# Altium PCB PCB_SAMARUC.PcbDoc (part 2 of 2)
Units mil, origin at the board's own origin, x right, y up, seen from the top; angles counter-clockwise.
Board outline 3000 x 2475 mil, 6 copper layers (Top (S1), GND1, PWR, S2, GND2, Bottom (S3)), stack 62.312 mil thick; 203 components, 120 nets, 721 pads, 145 vias.
Unrouted connection lines stored in the file: 235.
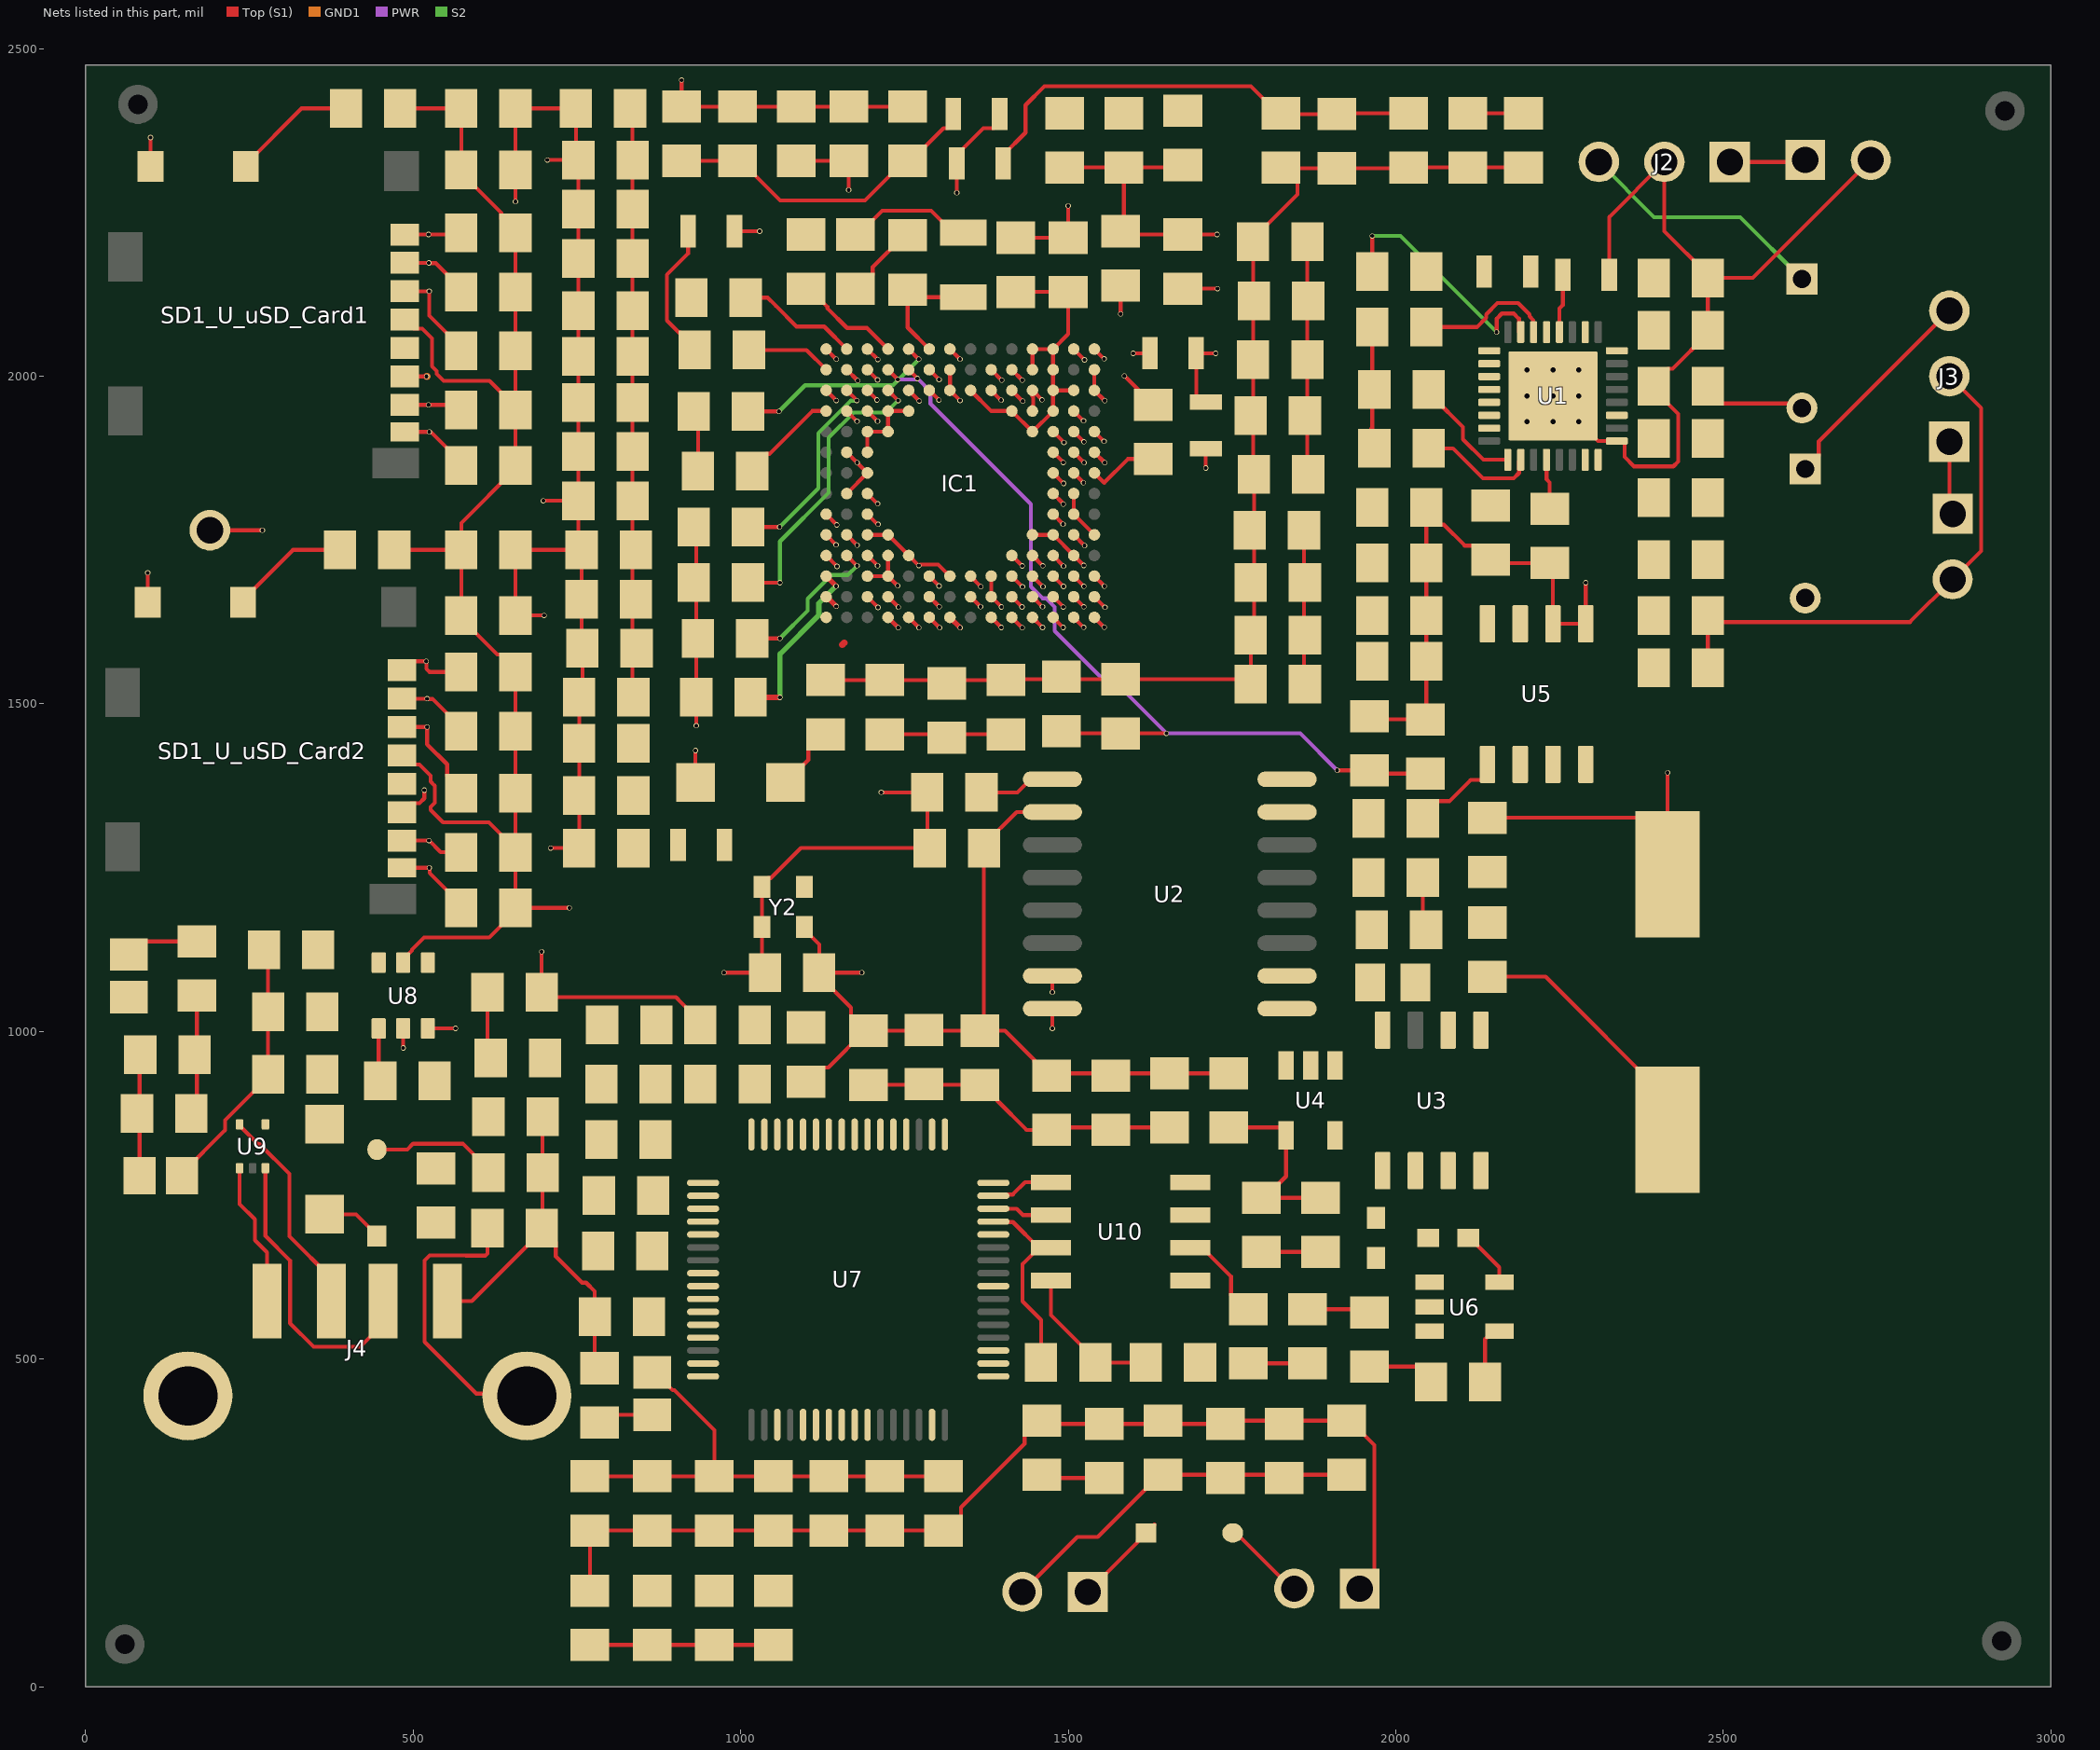
[diagram p5: the nets of this part, all layers, seen from the top]

## Part data (continued)
Y2: library part CMP-27762-002611-1, "MEMS Oscillator 12MHz ±50ppm LVCMOS 3.3V SMD 2.5x2mm", Case/Package=SMD/SMT, Frequency=12MHz, Frequency Stability=50ppm, Load Capacitance=15pF, Max Operating Temperature=85°C, Max Supply Current=10mA, Max Supply Voltage=3.6V, Min Operating Temperature=-40°C, Min Supply Voltage=3V, Operating Frequency="12 MHz", Operating Supply Voltage=3.3V, Package Quantity=1000, Height=0.035inch, Lead Free="Lead Free", Length=0.098inch, Mount="Surface Mount", Number of Pins=4, Packaging="Tape and Reel", RoHS Compliant=Yes, Series="Pure Silicon™ ASDM", Termination=SMD/SMT, Width=0.079inch

## Free pads (board coordinates)
  round 60 hole 30: 1(60,65) 2(2925,70) 3(2930,2405) 4(80,2415)

## Via types
v1: diameter 8, hole 6, Top (S1) to S2, 91 vias
v2: diameter 8, hole 6, Top (S1) to GND1, 27 vias
v3: diameter 8, hole 6, Top (S1) to PWR, 16 vias
v4: diameter 19.68, hole 7.87, Top (S1) to Bottom (S3), 9 vias
v5: diameter 8, hole 6, Top (S1) to Bottom (S3), 2 vias

## Nets (pads, with @x,y where several pads share a name; then routed paths per layer and width w, separated by ;. In a path a pad name is that pad's centre, name@x,y a point inside that pad or via, vN(x,y) a via of type N, cw(c..) or ccw(c..) an arc to the next point about the centre after c; other vN are vias at no path point)
AGND: C43.1 C44.1 C45.1 C46.1 C58.1 C59.1 C60.1 C81.1 C82.1 C83.1 FB8.1 IC1.A1 IC1.B6 IC1.C9 IC1.F13 IC1.J12 | length 924.2
  Top (S1) w6: v2(910,2451.91) C46.1@910,2411.34 C45.1@995,2411.34 C43.1@1085,2411.34 C82.1@1165,2411.34 C44.1@1255,2411.34 ; IC1.A1@1130.55,2041.46 v2(1146.1,2025.9) ; IC1.B6@1288.03,2009.96 v2(1302.99,1995) ; IC1.C9@1382.52,1978.46 v2(1397.67,1963.32) ; IC1.J12@1477.01,1789.49 v2(1492.2,1774.3) ; C59.1@1495,2318.66 C60.1@1585,2318.66 ; IC1.F13@1508.5,1883.98 v2(1524.29,1868.19) ; C58.1@1675,2322.32 1671.34,2318.66 C60.1@1585,2318.66 ; v2(1727.31,2216.34) C81.1@1675,2216.34 1585,2216.34 C83.1@1580,2221.34 1585,2226.34 C60.1@1585,2318.66
ANA_LDO_OUT: C43.2 C81.2 C82.2 IC1.B7 IC1.B9 IC1.C7 | length 253.6
  Top (S1) w6: C43.2@1085,2328.66 C82.2@1165,2328.66 v1(1165,2284.31) ; IC1.B7@1319.53,2009.96 IC1.C7@1319.53,1978.46 v1(1335,1962.99) ; IC1.B9@1382.52,2009.96 v1(1398.57,1993.91) ; C81.2@1675,2133.66 v1(1728.12,2133.66)
CLK_12MHz: IC1.C1 IC1.E14 R8.2 U1.1 U7.2 Y2.3 | length 42.8
  Top (S1) w6: IC1.C1@1130.55,1978.46 v1(1146.04,1962.98) ; IC1.E14@1540,1915.47 v1(1554.79,1900.68)
DSP_LDO_OUT: C47.2 C48.2 C49.2 C50.2 C51.2 C52.2 C53.2 C54.2 C61.2 C62.2 C63.2 C64.2 C65.2 C66.2 C67.2 C68.2 C69.2 C70.2 IC1.A13 IC1.C11 IC1.D3 IC1.D11 IC1.F2 IC1.G3 IC1.H2 IC1.K11 IC1.K12 IC1.L13 IC1.M6 IC1.M9 IC1.N9 | length 1615.8
  Top (S1) w6: C64.2@831.34,2408.72 835,2405.06 C65.2@835,2330 C66.2@835,2255 C47.2@835,2180 C48.2@835,2100 C49.2@835,2030 C62.2@835,1960 C53.2@835,1885 C61.2@835,1810 835,1511.34 C52.2@836.34,1510 ; IC1.H2@1162.05,1820.98 IC1.G3@1193.54,1852.48 v1(1177.92,1868.11) IC1.F2@1162.05,1883.98 ; IC1.D3@1193.54,1946.97 v1(1209.04,1931.47) ; IC1.M6@1288.03,1695 v1(1303.03,1680) ; IC1.M9@1382.52,1695 IC1.N9@1382.52,1663.5 v1(1398.08,1647.94) ; IC1.K11@1445.51,1757.99 IC1.K12@1477.01,1757.99 IC1.L13@1508.5,1726.5 v1(1523.77,1711.23) ; IC1.D11@1445.51,1946.97 1445.51,1954.24 1446.56,1955.29 1446.56,1968.55 1445.51,1969.6 IC1.C11@1445.51,1978.46 v1(1460,1963.98) ; IC1.A13@1508.5,2041.46 v1(1524.96,2025) ; C70.2@1865,2205 C68.2@1865,2025 1865,1851.34 C63.2@1866.34,1850
GND: C3.1 C4.1 C7.1 C8.1 C11.1 C12_U_uSD_Card1.1 C12_U_uSD_Card2.1 C13_U_uSD_Card1.1 C13_U_uSD_Card2.1 C14.1 C15.1 C16.1 C17.1 C18.2 C19.1 C20.1 C22.1 C23.1 C24.1 C25.1 C26.1 C28.1 C29.1 C32.1 C33.1 C34.1 C37.1 C38.1 C39.1 C40.1 C41.1 C42.1 C47.1 C48.1 C49.1 C50.1 C51.1 C52.1 C53.1 C54.1 C55.1 C56.1 C57.1 C61.1 C62.1 C63.1 C64.1 C65.1 C66.1 C67.1 C68.1 C69.1 C70.1 C71.1 C72.1 C73.1 C74.1 C75.1 C76.1 C77.1 C78.1 C79.1 C80.1 C84.1 C85.1 C86.1 C87.1 C88.1 C89.1 C90.1 C91.1 C92.1 C93.1 C94.1 C95.1 C96.1 C97.1 C98.1 C99.1 C100.1 C101.1 C102.1 C103.1 FB2.1 FB8.2 IC1.A11 IC1.A12 IC1.A14 IC1.B2 IC1.B3 IC1.B11 IC1.B12 IC1.C8 IC1.C12 IC1.C13 IC1.D4 IC1.D5 IC1.D10 IC1.D12 IC1.E3 IC1.E4 IC1.E11 IC1.F3 IC1.H3 IC1.H13 IC1.J13 IC1.K3 IC1.K4 IC1.K14 IC1.L5 IC1.L10 IC1.M7 IC1.P1 IC1.P14 J4.4 P1.1 R6.1 R7.1 R8.1 R18.2 R22.2 R24.2 R26.1 R27.1 R30.1 R35.2 R43.2 R48.2 R51.2 SD1_U_uSD_Card1.6 SD1_U_uSD_Card1.10 SD1_U_uSD_Card2.6 SD1_U_uSD_Card2.10 U1.7 U1.28 U2.10 U3.4 U4.2 U5.1 U5.2 U5.6 U6.2 U7.1 U7.5 U7.10 U7.11 U7.13 U7.15 U7.25 U7.35 U7.47 U7.51 U8.2 U9.4 U10.5 U10.7 Y2.2 | length 10497.5
  Top (S1) w6: SD1_U_uSD_Card2.10@95,1655 v2(95,1700) ; SD1_U_uSD_Card1.10@99.33,2320 v2(99.33,2364.33) ; C102.1@161.34,875 170,883.66 C86.1@170,1055 ; SD1_U_uSD_Card2.6@482.8,1334.72 496.57,1348.5 509.75,1348.5 517.25,1356 v2(517.25,1368.38) ; v2(485,975) U8.2@485,1004.8 ; SD1_U_uSD_Card1.6@487.13,1999.72 v2(520.59,1999.72) ; J4.4@552.8,588.62 589.88,588.62 696.34,695.08 C90.1@696.34,700 ; v2(656.34,2266.34) C13_U_uSD_Card1.1@656.34,2315 C12_U_uSD_Card1.1@656.34,2408.72 C64.1@748.66,2408.72 748.66,2333.66 C65.1@752.32,2330 ; v2(696.34,1121.85) R43.2@696.34,1060 703.81,1052.53 901.33,1052.53 908.94,1044.91 908.94,1044.64 938.66,1014.92 R51.2@938.66,1010 ; C87.1@697.68,870 C88.1@697.68,785 697.68,701.34 C90.1@696.34,700 ; v2(698.82,1810) C61.1@752.32,1810 ; v2(700,1635) C12_U_uSD_Card2.1@656.34,1635 C13_U_uSD_Card2.1@656.34,1735 C50.1@757.32,1735 ; v2(705,2330) C65.1@752.32,2330 ; v2(710,1280) C41.1@753.66,1280 C42.1@753.66,1360 C40.1@753.66,1440 C52.1@753.66,1510 758.66,1515 C51.1@758.66,1585 757.32,1586.34 C54.1@757.32,1660 C50.1@757.32,1735 ; C95.1@770,146.67 C96.1@770,238.66 C97.1@865,238.66 C98.1@960,238.66 C99.1@1050,238.66 C89.1@1135,238.66 C85.1@1220,238.66 C91.1@1310,238.66 1314.92,238.66 1336.53,260.27 1336.53,274.03 1433.47,370.97 1433.47,384.73 1455.08,406.34 C28.1@1460,406.34 1465,401.34 C15.1@1555,401.34 C25.1@1740,401.34 1745,406.34 C26.1@1925,406.34 1929.92,406.34 1967.53,368.73 1967.53,172.53 P1.1@1945,150 ; C100.1@785,486.34 777.32,494.02 R48.2@777.32,565 777.32,603.53 764.04,616.81 758,616.81 717.94,656.86 717.94,678.39 C90.1@696.34,700 ; R30.1@928.66,1946.34 935,1940 R27.1@935,1855 ; Y2.2@1097.48,1159.49 1097.48,1155.55 1120,1133.03 C84.1@1120,1090 ; C101.1@1100,923.66 1121.61,945.27 1134.01,945.27 C73.1@1190.08,1001.34 ; R35.2@1130,1536.34 C32.1@1220,1536.34 1310,1536.34 C33.1@1315,1531.34 1320,1536.34 C34.1@1405,1536.34 1406.34,1537.68 C38.1@1580,1537.68 1770.98,1537.68 C37.1@1778.66,1530 C74.1@1778.66,1605 1783.66,1610 C63.1@1783.66,1850 1782.32,1851.34 C68.1@1782.32,2025 C70.1@1782.32,2205 1782.32,2209.92 1850,2277.6 C55.1@1850,2317.32 ; IC1.B2@1162.05,2009.96 v2(1178.77,1993.24) ; v2(1185,1090) C84.1@1120,1090 ; IC1.K3@1193.54,1757.99 IC1.K4@1225.04,1757.99 IC1.L5@1256.54,1726.5 v2(1271.86,1711.17) 1272.4,1711.17 1274.09,1712.86 1301.67,1712.86 IC1.M7@1319.53,1695 ; IC1.H3@1193.54,1820.98 v2(1209.2,1805.33) ; IC1.F3@1193.54,1883.98 IC1.E3@1193.54,1915.47 IC1.E4@1225.04,1915.47 IC1.D4@1225.04,1946.97 1256.1,1946.97 1256.54,1946.54 IC1.D5@1256.54,1946.97 ; IC1.B3@1193.54,2009.96 v2(1209.04,1994.46) ; IC1.C8@1351.02,1978.46 1382.52,1946.97 IC1.D10@1414.02,1946.97 IC1.E11@1445.51,1915.47 IC1.D12@1477.01,1946.97 IC1.C12@1477.01,1978.46 ; IC1.L10@1414.02,1726.5 v2(1430,1710.51) ; C78.1@1420,2128.66 C75.1@1500,2128.66 1500,2064.45 IC1.A12@1477.01,2041.46 ; IC1.B11@1445.51,2009.96 IC1.A11@1445.51,2041.46 IC1.A12@1477.01,2041.46 ; U2.10@1475.87,1335 1421.42,1335 1371.34,1284.92 C11.1@1371.34,1280 1371.34,1007.68 C71.1@1365,1001.34 ; IC1.H13@1508.5,1820.98 IC1.J13@1508.5,1789.49 IC1.K14@1540,1757.99 IC1.K14@1540,1755 ; IC1.C13@1508.5,1978.46 IC1.C12@1477.01,1978.46 ; IC1.P14@1540,1632.01 v2(1555.15,1616.85) ; IC1.A14@1540,2041.46 v2(1554.88,2026.57) ; R22.2@1745,936.34 C23.1@1655,936.34 1478.66,936.34 C22.1@1475,932.68 1470.08,932.68 1448.47,954.28 1448.47,956.39 1403.53,1001.34 C71.1@1365,1001.34 ; C29.1@1775,493.66 R24.2@1865,493.66 ; C55.1@1825,2318.66 1826.34,2317.32 C55.1@1850,2317.32 ; C17.1@1960,1481.34 1965,1476.34 C16.1@2045,1476.34 2046.77,1478.11 C4.1@2046.77,1565 C3.1@2046.77,1635 C8.1@2046.77,1715 C7.1@2046.77,1795.08 ; U6.2@2042.01,580 U6.2@2051.85,580 ; C7.1@2046.77,1800 C7.1@2046.77,1795.08 ; R18.2@2140,1083.66 2228.7,1083.66 2415,897.36 C14.1@2415,850.12 ; C79.1@2195,2318.66 C80.1@2110,2318.66 C56.1@2020,2318.66 2018.66,2317.32 C57.1@1910,2317.32 C55.1@1850,2317.32 ; U1.28@2249.84,2067.44 2249.84,2103.45 2255,2108.61 FB2.1@2255,2155 ; v2(2290,1685) U5.1@2290,1622.28 U5.2@2240,1622.28 2240,1710 R7.1@2235,1715 2150,1715 R8.1@2145,1720 2123.39,1741.61 2105.17,1741.61 2073.3,1773.47 2068.38,1773.47 C7.1@2046.77,1795.08 ; C61.1@752.32,1810 752.32,1740 C50.1@757.32,1735 ; C61.1@752.32,1810 C53.1@752.32,1885 C62.1@752.32,1960 C49.1@752.32,2030 C48.1@752.32,2100 C47.1@752.32,2180 C66.1@752.32,2255 C65.1@752.32,2330 ; C84.1@1120,1090 1120,1085.08 1168.47,1036.61 1168.47,1022.94 C73.1@1190.08,1001.34 ; C73.1@1190.08,1001.34 C73.1@1195,1001.34 C71.1@1365,1001.34 ; IC1.C12@1477.01,1978.46 IC1.B12@1477.01,2009.96 IC1.A12@1477.01,2041.46
  Top (S1) w10: 1155,1590 1158.03,1593.03 1158.54,1593.03
  GND1 w10: v2(520.59,1999.72) v2@521.8,1999.72
GND_AIC: C1.1 C2.1 C9.1 C10.1 FB2.2 J2.2 J3.2 P3.2 P4.2 R5.2 U1.17 U1.33 | length 2097.6
  Top (S1) w6: v4(2279.37,1930.63) 2308.9,1901.1 U1.17@2337.44,1901.1 2346.68,1901.1 2349.19,1898.59 2349.19,1876.95 2363.67,1862.47 2423.65,1862.47 2431.27,1870.09 2431.27,1942.47 2393.66,1980.08 R5.2@2393.66,1985 2393.66,1989.92 2415.27,2011.53 2422.79,2011.53 2476.34,2065.08 C1.1@2476.34,2070 C2.1@2476.34,2150 ; FB2.2@2325.87,2155 2325.87,2242.91 J2.2@2410,2327.05 2410,2221.26 2476.34,2154.92 C2.1@2476.34,2150 ; C10.1@2476.34,1555 C9.1@2476.34,1635 2486.39,1624.95 2784.95,1624.95 P4.2@2850,1690 2893.51,1733.51 2893.51,1951.49 J3.2@2845,2000 ; P3.2@2725,2330 2545,2150 C2.1@2476.34,2150
  other v4: 2200.63,1930.63 2240,1930.63 2200.63,1970 2240,1970 2279.37,1970 2200.63,2009.37 2240,2009.37 2279.37,2009.37
I2C_SCL: IC1.C4 R2.1 R31.2 U1.9 U5.4 | length 631.8
  Top (S1) w6: R31.2@1011.34,1685 v1(1060,1685) ; IC1.C4@1225.04,1978.46 v1(1240.54,1962.97) ; R2.1@2067.44,1962.56 2058.72,1971.28 2058.72,1966.36 2102.68,1922.4 2102.68,1903.63 2133.76,1872.56 U1.9@2171.1,1872.56
  S2 w6: v1(1060,1685) 1060,1747.84 1134.54,1822.38 1134.54,1906.45 1172.56,1944.47 1222.04,1944.47 v1(1240.54,1962.97)
I2C_SDA: IC1.A4 R3.1 R32.2 U1.10 U5.3 | length 346.4
  Top (S1) w6: R32.2@1100,2133.66 1104.92,2133.66 1132.47,2106.11 1132.47,2103.67 1162.46,2073.68 1192.81,2073.68 IC1.A4@1225.04,2041.46 ; R3.1@2050,1890 2087.34,1890 2133.01,1844.33 2180.22,1844.33 2188.28,1852.39 2188.28,1870.05 U1.10@2190.79,1872.56
NetC5_1: C5.1 U1.15
NetC5_2: C5.2 C30.2 R4.2
NetC6_1: C6.1 U1.16
NetC6_2: C6.2 C31.2 R5.1 | length 160.4
  Top (S1) w6: R5.1@2476.34,1985 2476.34,1980.08 2497.94,1958.47 2613.1,1958.47 C31.2@2620,1951.57
NetC7_2: C7.2 C8.2 U1.29
NetC9_2: C9.2 C10.2 U1.24
NetC18_1: C18.1 U5.5 | length 144.4
  Top (S1) w6: C18.1@2041.34,1325 2041.34,1329.92 2062.94,1351.53 2081.74,1351.53 2114.4,1384.18 2131.19,1384.18 2140,1392.99 U5.5@2140,1407.72
NetC21_1: C21.1 R21.2 R22.1 U4.4 | length 293.3
  Top (S1) w6: R22.1@1745,853.66 1823.79,853.66 1832.6,844.85 U4.4@1832.6,841.85 1832.6,779.02 C21.1@1799.92,746.34 ; C21.1@1795,746.34 C21.1@1799.92,746.34 ; R21.2@1885,746.34 C21.1@1799.92,746.34
NetC27_1: C27.1 R23.2 R24.1 U6.4 | length 189.5
  Top (S1) w6: R24.1@1865,576.34 1955,576.34 C27.1@1960,571.34 ; R23.2@2136.34,465 2136.34,530.63 2148.31,542.6 U6.4@2158.15,542.6
NetC30_1: C30.1 J3.3 | length 332.7
  Top (S1) w6: C30.1@2625,1858.43 2645.62,1879.05 2645.62,1900.62 J3.3@2845,2100
NetC31_1: C31.1 J2.3 | length 384
  S2 w6: J2.3@2310,2327.05 2394.34,2242.71 2525.72,2242.71 C31.1@2620,2148.43
NetC32_2: C32.2 C33.2 C34.2 FB3.2 IC1.E13 | length 249.5
  Top (S1) w6: FB3.2@990.61,2221.34 v1(1029.01,2221.34) ; C32.2@1220,1453.66 1310,1453.66 C33.2@1315,1448.66 1320,1453.66 C34.2@1405,1453.66 ; IC1.E13@1508.5,1915.47 v1(1524.04,1899.94)
NetC35_1: C35.1 C36.1 IC1.C5 | length 143.2
  Top (S1) w6: C35.1@1175,2133.66 1179.92,2133.66 1201.53,2155.27 1201.53,2166.45 1250.08,2215 C36.1@1255,2215 ; IC1.C5@1256.54,1978.46 v1(1272.79,1962.21)
NetC35_2: C35.2 IC1.A7 Y1.2 | length 216.7
  Top (S1) w6: C35.2@1175,2216.34 1179.92,2216.34 1216.19,2252.61 1290.86,2252.61 1324.25,2219.21 Y1.2@1340,2219.21 ; IC1.A7@1319.53,2040.47 IC1.A7@1319.53,2041.46 v1(1335,2025.98)
NetC36_2: C36.2 IC1.A6 Y1.1 | length 194.3
  Top (S1) w6: IC1.A6@1288.03,2041.46 1255,2074.49 C36.2@1255,2132.32 1266.54,2120.79 Y1.1@1340,2120.79
NetC40_2: C40.2 C41.2 C42.2 FB4.2 IC1.G12 | length 52.2
  Top (S1) w6: IC1.G12@1477.01,1852.48 v1(1493.05,1836.44) ; v1(1710,1860) FB4.2@1710,1889.57
NetC44_2: C44.2 C45.2 C46.2 FB5.2 IC1.H12 | length 524.8
  Top (S1) w6: C46.2@910,2328.66 C45.2@995,2328.66 999.92,2328.66 1060.27,2268.31 1189.73,2268.31 1250.08,2328.66 C44.2@1255,2328.66 1259.92,2328.66 1309.65,2378.39 1315.76,2378.39 1324.57,2387.2 FB5.2@1324.57,2400 ; IC1.H12@1477.01,1820.98 1492.5,1805.49 v1(1492.5,1804.95)
  S2 w6: v1(1492.5,1804.95) v1@1493.05,1804.4
NetC55_2: C55.2 C56.2 C57.2 FB6.2 IC1.E12 IC1.F14 IC1.K13 | length 787.1
  Top (S1) w6: FB6.2@1400.87,2325 1400.87,2337.8 1434.88,2371.81 1434.88,2413.74 1463.75,2442.61 1778.81,2442.61 1821.42,2400 C57.2@1910,2400 1911.34,2401.34 C56.2@2020,2401.34 ; IC1.E12@1477.01,1915.47 v1(1493.54,1898.94) ; IC1.K13@1508.5,1757.99 v1(1525,1741.5) ; IC1.F14@1540,1883.98 v1(1555.78,1868.2)
NetC58_2: C58.2 C59.2 C60.2 FB7.2 IC1.G13 | length 46.5
  Top (S1) w6: IC1.G13@1508.5,1852.48 v1(1523.38,1837.6) ; v1(1599.09,2035) FB7.2@1624.57,2035
NetC83_2: C83.2 IC1.C10 | length 67.1
  Top (S1) w6: IC1.C10@1414.02,1978.46 v1(1430.56,1961.92) ; v1(1580,2095) C83.2@1580,2138.66
NetC86_2: C86.2 FB9.1 J4.1 U9.1 | length 332.3
  Top (S1) w6: FB9.1@66.34,1117.51 86.51,1137.68 C86.2@170,1137.68 ; U9.1@235.32,791.54 235.32,736.89 258.69,713.52 258.69,681.64 277.2,663.12 J4.1@277.2,588.62
NetC87_2: C87.2 C88.2 D3.2 FB9.2 | length 194.8
  Top (S1) w6: D3.2@445,820 491.14,820 500.09,828.94 575.98,828.94 615,789.92 C88.2@615,785
NetC90_2: C90.2 J4.Shell | length 453.4
  Top (S1) w6: C90.2@613.66,700 613.66,661.47 610.15,657.96 580.58,657.96 580.23,658.32 525.36,658.32 517.75,650.7 517.75,526.54 596.75,447.54 670.25,447.54 J4.Shell@673.66,444.13
NetC92_2: C92.2 C93.2 C94.2 C95.2 U7.12 U7.37 U7.49 U7.64 | length 280
  Top (S1) w6: C95.2@770,63.99 C94.2@865,63.99 C93.2@960,63.99 C92.2@1050,63.99
NetC100_2: C100.2 C101.2 FB10.2 U7.4 | length 84.7
  Top (S1) w6: C100.2@785,403.66 796.34,415 FB10.2@865,415
NetC102_2: C102.2 C103.2 FB11.2 U7.9 | length 185.5
  Top (S1) w6: FB11.2@82.49,780 82.49,963.83 C103.2@83.66,965
NetD1_1: D1.1 P2.1 | length 146.6
  Top (S1) w6: P2.1@1530,145 1605.95,220.95 1605.95,223.39 1617.56,235 D1.1@1618.86,235 1620.16,235 1631.77,246.61 D1.1@1631.77,247.91
NetD1_2: D1.2 P1.2 | length 129.1
  Top (S1) w6: D1.2@1751.14,235 1756.22,235 1841.22,150 P1.2@1845,150
NetD2_1: D2.1 R35.1 | length 101.9
  Top (S1) w6: D2.1@1068.9,1380 1103.47,1414.57 1103.47,1432.06 1125.08,1453.66 R35.1@1130,1453.66
NetD2_2: D2.2 IC1.J3 | length 71.6
  Top (S1) w6: D2.2@931.1,1380 v1(931.1,1428.9) ; IC1.J3@1193.54,1789.49 1209.04,1773.99 v1(1209.87,1773.99)
NetD4_1: D4.1 R50.2
NetIC1_A2: IC1.A2 R26.2 | length 187
  Top (S1) w6: R26.2@1007.68,2120 1041.28,2120 1053.19,2108.1 1053.19,2107.96 1085.32,2075.83 1127.68,2075.83 IC1.A2@1162.05,2041.46
NetIC1_A3: IC1.A3 J1.1 | length 102.5
  Top (S1) w6: J1.1@190,1765 v5(270,1765) ; IC1.A3@1193.54,2041.46 v5(1209.43,2025.57)
NetIC1_A5: IC1.A5 R30.2 | length 315.8
  Top (S1) w6: R30.2@1011.34,1946.34 v1(1058.66,1946.34) ; IC1.A5@1256.54,2041.46 IC1.A5@1256.54,2041.46 v1(1272.08,2025.92)
  S2 w6: v1(1058.66,1946.34) 1098.45,1986.13 1232.29,1986.13 v1(1272.08,2025.92)
NetIC1_B1: IC1.B1 R34.2 | length 165.8
  Top (S1) w6: R34.2@1034.28,2013.47 1012.68,2035.08 R34.2@1012.68,2040 1100.51,2040 IC1.B1@1130.55,2009.96
NetIC1_C2: IC1.C2 R33.2 | length 317.3
  Top (S1) w6: R33.2@1011.34,1770 v1(1059.53,1770) ; IC1.C2@1162.05,1978.46 v1(1177.54,1962.97)
  S2 w6: v1(1059.53,1770) 1118.54,1829 1118.54,1913.08 1168.05,1962.59 1177.16,1962.59 v1(1177.54,1962.97)
NetIC1_C6: IC1.C6 IC1.L4 IC1.M3 IC1.M4 IC1.N8 IC1.N14 | length 149.1
  Top (S1) w6: IC1.M3@1193.54,1695 IC1.M4@1225.04,1695 ; IC1.L4@1225.04,1726.5 IC1.M4@1225.04,1695 ; v1(1239.75,1680.29) IC1.M4@1225.04,1695 ; IC1.C6@1288.03,1978.46 v1(1302.81,1963.69) ; IC1.N8@1351.02,1663.5 v1(1366.27,1648.26) ; IC1.N14@1540,1663.5 v1(1556.18,1647.33)
NetIC1_D1: IC1.D1 R27.2 | length 153.9
  Top (S1) w6: R27.2@1017.68,1855 1017.68,1859.92 1039.28,1881.53 1044.2,1881.53 1109.65,1946.97 IC1.D1@1130.55,1946.97
NetIC1_F12: IC1.F12 R25.2 | length 84.5
  Top (S1) w6: IC1.F12@1477.01,1883.98 v1(1492.63,1868.35) ; v1(1585.86,2000.48) R25.2@1630,1956.34
NetIC1_G14: IC1.G14 R25.1 | length 111.2
  Top (S1) w6: IC1.G14@1540,1852.48 1555.04,1837.44 1591.25,1873.66 R25.1@1630,1873.66
NetIC1_J1: IC1.J1 R14_U_uSD_Card1.2 SD1_U_uSD_Card1.7 | length 123.6
  Top (S1) w6: SD1_U_uSD_Card1.7@494.82,1948.72 SD1_U_uSD_Card1.7@487.13,1956.42 v1(523.58,1956.42) 565.96,1956.42 R14_U_uSD_Card1.2@573.66,1948.72 ; IC1.J1@1130.55,1789.49 v1(1146.8,1773.24)
NetIC1_K1: IC1.K1 U2.15 | length 46.7
  Top (S1) w6: IC1.K1@1130.55,1757.99 v1(1145.81,1742.73) ; v1(1475.87,1059.88) U2.15@1475.87,1085
NetIC1_K2: IC1.K2 R38.2 | length 22.4
  Top (S1) w6: IC1.K2@1162.05,1757.99 v1(1177.89,1742.15)
NetIC1_L1: IC1.L1 U2.7 | length 23.5
  Top (S1) w6: IC1.L1@1130.55,1726.5 v1(1147.2,1709.84)
NetIC1_L2: IC1.L2 R29.2 | length 238.7
  Top (S1) w6: R29.2@1017.68,1600 v1(1060,1600) ; IC1.L2@1162.05,1726.5 v1(1177.74,1710.8)
  S2 w6: v1(1060,1600) 1102.46,1642.46 1102.46,1660.42 1138.77,1696.74 1163.68,1696.74 v1(1177.74,1710.8)
NetIC1_L3: IC1.L3 U2.16 | length 53.4
  Top (S1) w6: IC1.L3@1193.54,1726.5 v1(1209.04,1711) ; v1(1475.87,1004.72) U2.16@1475.87,1035
  S2 w6: v1(1209.04,1711) v1@1209.86,1710.17
NetIC1_L11: IC1.L11 R13_U_uSD_Card2.2 SD1_U_uSD_Card2.3 | length 198
  Top (S1) w6: SD1_U_uSD_Card2.3@496.53,1450.91 SD1_U_uSD_Card2.3@482.8,1464.65 v1(521.42,1464.65) 521.42,1438.44 552.06,1407.81 552.06,1390.25 R13_U_uSD_Card2.2@573.66,1368.64 ; IC1.L11@1445.51,1726.5 v1(1461.26,1710.74)
NetIC1_L12: IC1.L12 R12_U_uSD_Card2.2 SD1_U_uSD_Card2.2 | length 156.5
  Top (S1) w6: SD1_U_uSD_Card2.2@496.53,1494.22 SD1_U_uSD_Card2.2@482.8,1507.95 v1(521.45,1507.95) 521.83,1507.57 529.73,1507.57 573.66,1463.64 R12_U_uSD_Card2.2@573.66,1458.72 ; IC1.L12@1477.01,1726.5 1477.01,1725.96 v1(1492.83,1710.14)
NetIC1_M1: IC1.M1 R28.2 | length 271.9
  Top (S1) w8: R28.2@1015,1510 v1(1060.12,1510) ; IC1.M1@1130.55,1695 v1(1145.81,1679.74)
  S2 w8: v1(1060.12,1510) 1060.12,1576.08 1119.46,1635.42 1119.46,1653.38 v1(1145.81,1679.74)
NetIC1_M8: IC1.M8 SD1_U_uSD_Card1.5 | length 23.2
  Top (S1) w6: IC1.M8@1351.02,1695 1366.52,1679.5 v1(1366.52,1678.98)
  S2 w6: v1(1366.52,1678.98) v1@1367.04,1678.46
NetIC1_M10: IC1.M10 R13_U_uSD_Card1.2 SD1_U_uSD_Card1.3 | length 191.2
  Top (S1) w6: SD1_U_uSD_Card1.3@500.86,2115.91 SD1_U_uSD_Card1.3@487.13,2129.65 v1(524.68,2129.65) 524.68,2092.63 573.66,2043.64 R13_U_uSD_Card1.2@573.66,2038.72 ; IC1.M10@1414.02,1695 v1(1430.28,1678.73)
NetIC1_M11: IC1.M11 U7.39 | length 23
  Top (S1) w6: IC1.M11@1445.51,1695 v1(1461.62,1678.89)
  S2 w6: v1(1461.62,1678.89) v1@1461.88,1678.89
NetIC1_M12: IC1.M12 R11_U_uSD_Card2.2 SD1_U_uSD_Card2.1 | length 132.2
  Top (S1) w6: SD1_U_uSD_Card2.1@482.8,1551.26 496.53,1564.99 v1(520,1565) 520.38,1564.62 520.38,1553.54 525.21,1548.72 R11_U_uSD_Card2.2@573.66,1548.72 ; IC1.M12@1477.01,1695 v1(1492.83,1679.18)
NetIC1_M13: IC1.M13 R14_U_uSD_Card2.2 SD1_U_uSD_Card2.7 | length 145.3
  Top (S1) w6: SD1_U_uSD_Card2.7@482.8,1291.42 v1(524.49,1291.42) 542.19,1273.72 R14_U_uSD_Card2.2@573.66,1273.72 R14_U_uSD_Card2.2@555.96,1291.42 ; IC1.M13@1508.5,1695 v1(1524.08,1679.42)
NetIC1_M14: IC1.M14 SD1_U_uSD_Card2.5 | length 21.7
  Top (S1) w6: IC1.M14@1540,1695 v1(1555.34,1679.66)
NetIC1_N1: IC1.N1 R39.2 | length 21.8
  Top (S1) w8: IC1.N1@1130.55,1663.5 1131.5,1663.5 v1(1146.24,1648.76)
NetIC1_N3: IC1.N3 R36.2 R42.2 | length 22.9
  Top (S1) w6: IC1.N3@1193.54,1663.5 v1(1209.75,1647.3)
NetIC1_N4: IC1.N4 U2.8 | length 22.4
  Top (S1) w6: IC1.N4@1225.04,1663.5 v1(1240.89,1647.65)
NetIC1_N6: IC1.N6 R40.2 | length 21.6
  Top (S1) w6: IC1.N6@1288.03,1663.5 v1(1303.3,1648.24)
NetIC1_N10: IC1.N10 U1.3 | length 22
  Top (S1) w6: IC1.N10@1414.02,1663.5 v1(1429.55,1647.97)
NetIC1_N12: IC1.N12 U7.41 | length 22.2
  Top (S1) w6: IC1.N12@1477.01,1663.5 v1(1492.67,1647.84)
NetIC1_N13: IC1.N13 R11_U_uSD_Card1.2 SD1_U_uSD_Card1.1 | length 109.4
  Top (S1) w6: SD1_U_uSD_Card1.1@487.13,2216.26 v1(523.74,2216.26) 571.2,2216.26 R11_U_uSD_Card1.2@573.66,2218.72 ; IC1.N13@1508.5,1663.5 v1(1523.93,1648.08)
NetIC1_P4: IC1.P4 R41.2 R43.1 | length 124.2
  Top (S1) w6: R43.1@613.66,1060 613.66,965 R41.2@618.66,960 ; IC1.P4@1225.04,1632.01 v1(1240.72,1616.33)
NetIC1_P5: IC1.P5 U1.2 | length 22.2
  Top (S1) w6: IC1.P5@1256.54,1632.01 v1(1272.21,1616.34)
NetIC1_P6: IC1.P6 R15_U_uSD_Card1.2 SD1_U_uSD_Card1.8 | length 133
  Top (S1) w6: SD1_U_uSD_Card1.8@487.13,1915.08 v1(524.92,1915.08) 525.3,1914.7 527.61,1914.7 573.66,1868.64 R15_U_uSD_Card1.2@573.66,1863.72 ; IC1.P6@1288.03,1632.01 v1(1303.81,1616.23)
NetIC1_P7: IC1.P7 R12_U_uSD_Card1.2 SD1_U_uSD_Card1.2 | length 129.8
  Top (S1) w6: SD1_U_uSD_Card1.2@487.13,2172.95 v1(524.2,2172.95) 524.58,2172.57 534.73,2172.57 573.66,2133.64 R12_U_uSD_Card1.2@573.66,2128.72
  Top (S1) w8: IC1.P7@1319.53,1632.01 v1(1335.1,1616.43)
NetIC1_P9: IC1.P9 U1.5 | length 21.7
  Top (S1) w6: IC1.P9@1382.52,1632.01 v1(1397.83,1616.7)
NetIC1_P10: IC1.P10 R15_U_uSD_Card2.2 SD1_U_uSD_Card2.8 | length 146.1
  Top (S1) w6: SD1_U_uSD_Card2.8@482.8,1250.08 v1(524.92,1250.08) 525.3,1249.7 525.3,1242 573.66,1193.64 R15_U_uSD_Card2.2@573.66,1188.72 ; IC1.P10@1414.02,1632.01 v1(1429.86,1616.17)
NetIC1_P11: IC1.P11 U1.4 | length 21.6
  Top (S1) w6: IC1.P11@1445.51,1632.01 v1(1460.8,1616.72)
NetIC1_P12: IC1.P12 U7.40 | length 21.7
  Top (S1) w6: IC1.P12@1477.01,1632.01 v1(1492.33,1616.69)
NetIC1_P13: IC1.P13 U7.38 | length 21.4
  Top (S1) w6: IC1.P13@1508.5,1632.01 v1(1523.67,1616.84)
NetJ2_1: J2.1 P3.1 | length 116.2
  Top (S1) w6: J2.1@2510,2327.05 2622.05,2327.05 P3.1@2625,2330
NetJ3_1: J3.1 P4.1 | length 112.1
  Top (S1) w6: J3.1@2845,1900 2845,1795 P4.1@2850,1790
NetJ4_2: J4.2 U7.7 U9.5 | length 353.2
  Top (S1) w6: U9.5@235.32,858.46 235.32,856.5 263.65,828.17 265.97,828.17 311.27,782.86 311.27,687.62 375.63,623.27 J4.2@375.63,588.62 J4.2@392.53,605.52
NetJ4_3: J4.3 U7.8 U9.3 | length 493
  Top (S1) w6: U9.3@274.69,791.54 274.69,688.27 312.25,650.7 312.25,554.88 348.2,518.93 419.32,518.93 454.37,553.98 J4.3@454.37,588.62 J4.3@454.37,623.27
NetL1_1: L1.1 U4.5
NetL2_1: L2.1 U6.5 | length 89.1
  Top (S1) w6: L2.1@2110.51,685 2113.46,685 2158.15,640.31 U6.5@2158.15,617.4
NetR1_1: R1.1 U1.30 | length 193.9
  Top (S1) w6: R1.1@2046.77,2075 2123.8,2075 2138.09,2089.29 2138.09,2094.4 2155.36,2111.67 2186.84,2111.67 2204.11,2094.4 2204.11,2091.46 2210,2085.57
NetR4_1: R4.1 U1.19
NetR7_2: R7.2 U1.12 | length 76.9
  Top (S1) w6: U1.12@2230.16,1872.56 2230.16,1842.73 2235,1837.89 R7.2@2235,1797.68
NetR9_2: R9.2 U2.9 | length 116.5
  Top (S1) w6: R9.2@1367.68,1365 1422.4,1365 1442.4,1385 U2.9@1475.87,1385
NetR10_2: R10.2 U2.1
NetR16_U_uSD_Card1_2: R16_U_uSD_Card1.2 SD1_U_uSD_Card1.9 | length 191.8
  Top (S1) w6: SD1_U_uSD_Card1.9@245,2320 245,2323.94 329.78,2408.72 R16_U_uSD_Card1.2@397.7,2408.72
NetR16_U_uSD_Card2_2: R16_U_uSD_Card2.2 SD1_U_uSD_Card2.9 | length 183.4
  Top (S1) w6: SD1_U_uSD_Card2.9@240.67,1655 240.67,1658.94 316.73,1735 R16_U_uSD_Card2.2@388.66,1735
NetR17_2: R17.2 R18.1 U3.1
NetR20_2: R20.2 U5.8
NetR36_1: R36.1 U7.16
NetR37_2: R37.2 U7.14
NetR38_1: R38.1 U7.17
NetR39_1: R39.1 U7.18
NetR40_1: R40.1 U7.19
NetR41_1: R41.1 U7.21
NetR42_1: R42.1 U7.24
NetR44_1: R44.1 U7.26
NetR44_2: R44.2 R46.1 U7.27
NetR47_1: R47.1 U7.29
NetR47_2: R47.2 U8.1 | length 80.8
  Top (S1) w6: U8.1@447.6,1004.8 447.6,927.4 R47.2@450,925
NetR48_1: R48.1 U7.32
NetR49_2: R49.2 R52.1 U10.4 | length 237.4
  Top (S1) w6: U10.4@1473.7,620 1473.7,567.56 1541.34,499.92 R52.1@1541.34,495 R49.2@1618.66,495 R49.2@1613.66,490
NetR50_1: R50.1 U7.60
NetR51_1: R51.1 U7.6
NetR52_2: R52.2 U7.61 U10.3 | length 306.6
  Top (S1) w6: U7.61@1385.67,710.04 1386.4,709.3 1415.7,709.3 U10.3@1455,670 ; R52.2@1458.66,490.08 R52.2@1458.66,495 1458.66,559.97 1430.19,588.44 1430.19,645.19 U10.3@1455,670 ; U10.3@1473.7,670 U10.3@1455,670
NetU7_28: U7.28 U8.4
NetU7_62: U7.62 U10.2 | length 92.1
  Top (S1) w6: U7.62@1385.67,729.72 1421.43,729.72 1431.15,720 U10.2@1473.7,720
NetU7_63: U7.63 U10.1 | length 76.4
  Top (S1) w6: U7.63@1405,751.37 1415.56,751.37 1434.19,770 U10.1@1473.7,770
PWR_GOOD: IC1.D2 R6.2 R19.2 R45.2 U1.31 U3.2 U8.6 | length 410.9
  Top (S1) w6: IC1.D2@1162.05,1946.97 v1(1177.74,1931.27) ; R6.2@1964.09,2160 v1(1964.09,2214.09) ; v1(2153.84,2067.44) 2154.09,2067.44 2154.09,2087.77 2161.99,2095.67 2180.22,2095.67 2188.11,2087.77 2188.11,2067.44 U1.31@2190.79,2067.44
  S2 w6: v1(1964.09,2214.09) 2007.19,2214.09 v1(2153.84,2067.44)
USB_LDO_OUT: FB5.1 FB6.1 IC1.D13 | length 177.8
  Top (S1) w6: v1(1330,2280) FB6.1@1330,2325 1330,2337.8 1370.6,2378.39 1386.62,2378.39 1395.43,2387.2 FB5.1@1395.43,2400 ; IC1.D13@1508.5,1946.97 v1(1523.54,1931.93)
VCC_1V3: C14.2 C16.2 C17.2 C38.2 C39.2 IC1.B4 IC1.B5 R17.1 U3.7 U3.8 | length 1812.4
  Top (S1) w6: IC1.B4@1225.04,2009.96 v3(1240,1995) ; IC1.B5@1256.54,2009.96 v3(1270,1996.5) ; C39.2@1490,1458.66 1493.66,1455 C38.2@1580,1455 v3(1650,1455) ; v3(1910.59,1398.66) C17.2@1960,1398.66 1965,1393.66 C16.2@2045,1393.66 ; R17.1@2140,1326.34 2368.79,1326.34 C14.2@2415,1280.13 ; C14.2@2415,1239.88 C14.2@2415,1280.13 ; v3(2415,1395) C14.2@2415,1280.13
  PWR w6: v3(1240,1995) 1267.96,1995 1269.46,1996.5 v3(1270,1996.5) 1289.81,1976.69 1289.81,1958.3 1443.28,1804.83 1443.28,1678.85 1460.91,1661.21 1466.19,1661.21 1479.33,1648.07 1479.33,1611.3 1557.29,1533.34 1571.66,1533.34 v3(1650,1455) 1854.25,1455 v3(1910.59,1398.66)
VCC_1V8: C21.2 C22.2 C23.2 C24.2 C71.2 C72.2 C73.2 IC1.B10 IC1.B14 IC1.C14 L1.2 R21.1 | length 657.6
  Top (S1) w6: C73.2@1195,918.66 C71.2@1365,918.66 1369.92,918.66 1391.53,897.06 1391.53,894.94 1436.47,850 C22.2@1475,850 1478.66,853.66 C23.2@1655,853.66 ; IC1.B10@1414.02,2009.96 v3(1430,1993.98) ; IC1.B14@1540,2009.96 IC1.C14@1540,1978.46 v3(1555.78,1962.69) ; C21.2@1795,663.66 R21.1@1885,663.66
VCC_3V3: C3.2 C4.2 C11.2 C12_U_uSD_Card1.2 C12_U_uSD_Card2.2 C13_U_uSD_Card1.2 C13_U_uSD_Card2.2 C15.2 C27.2 C28.2 C29.2 C37.2 C74.2 C75.2 C76.2 C77.2 C78.2 C79.2 C80.2 C84.2 C85.2 C89.2 C91.2 C96.2 C97.2 C98.2 C99.2 FB1.1 FB3.1 FB4.1 FB7.1 FB10.1 FB11.1 IC1.C3 IC1.N11 L2.2 R1.2 R2.2 R3.2 R9.1 R10.1 R11_U_uSD_Card1.1 R11_U_uSD_Card2.1 R12_U_uSD_Card1.1 R12_U_uSD_Card2.1 R13_U_uSD_Card1.1 R13_U_uSD_Card2.1 R14_U_uSD_Card1.1 R14_U_uSD_Card2.1 R15_U_uSD_Card1.1 R15_U_uSD_Card2.1 R16_U_uSD_Card1.1 R16_U_uSD_Card2.1 R19.1 R23.1 R28.1 R29.1 R31.1 R32.1 R33.1 R34.1 R37.1 R45.1 R46.2 R49.1 SD1_U_uSD_Card1.4 SD1_U_uSD_Card2.4 U1.6 U2.2 U3.5 U3.6 U7.20 U7.31 U7.42 U7.50 U7.56 U8.3 U8.5 U10.6 U10.8 Y2.1 Y2.4 | length 5913
  Top (S1) w6: FB11.1@147.51,780 147.51,783.96 213.13,849.59 213.13,864.55 278.66,930.08 R46.2@278.66,935 R45.1@278.66,1030 278.66,1118.66 R37.1@272.32,1125 ; R16_U_uSD_Card2.1@471.34,1735 C13_U_uSD_Card2.2@573.66,1735 ; R16_U_uSD_Card1.1@480.37,2408.72 C12_U_uSD_Card1.2@573.66,2408.72 C13_U_uSD_Card1.2@573.66,2315 573.66,2310.08 634.73,2249.01 634.73,2240.33 R11_U_uSD_Card1.1@656.34,2218.72 R12_U_uSD_Card1.1@656.34,2128.72 R13_U_uSD_Card1.1@656.34,2038.72 R14_U_uSD_Card1.1@656.34,1953.64 ; SD1_U_uSD_Card2.4@482.8,1421.34 496.53,1407.61 509.71,1407.61 526.69,1390.63 526.69,1381.57 533.25,1375.01 533.25,1349.37 526.69,1342.81 526.69,1338.17 545.65,1319.21 615.77,1319.21 R14_U_uSD_Card2.1@656.34,1278.64 ; U8.5@485,1105.2 485,1110.12 498.57,1123.69 498.57,1125.19 517.08,1143.69 616.23,1143.69 656.34,1183.8 R15_U_uSD_Card2.1@656.34,1188.72 ; SD1_U_uSD_Card1.4@487.13,2086.34 500.86,2072.61 514.04,2072.61 528.85,2057.79 528.85,2015.25 536.06,2008.05 536.06,2003.81 546.74,1993.13 616.85,1993.13 R14_U_uSD_Card1.1@656.34,1953.64 ; U8.3@522.4,1004.8 v3(564.8,1004.8) ; v3(738.72,1188.72) R15_U_uSD_Card2.1@656.34,1188.72 ; C96.2@770,321.34 C97.2@865,321.34 C98.2@960,321.34 ; FB10.1@865,480.01 868.96,480.01 896.27,452.7 899.05,452.7 960,391.75 C98.2@960,321.34 ; FB3.1@919.74,2221.34 919.74,2187.26 887.39,2154.91 887.39,2085.09 905.95,2066.53 908.39,2066.53 930,2044.92 R34.1@930,2040 ; R33.1@928.66,1770 932.32,1766.34 R28.1@932.32,1510 v3(932.32,1466.64) ; v3(974.56,1090) C84.2@1037.32,1090 1032.52,1094.8 Y2.1@1032.52,1159.49 Y2.4@1032.52,1220.51 1032.52,1224.45 1042.32,1234.24 1046.25,1234.24 1092.01,1280 C11.2@1288.66,1280 1285,1283.66 R9.1@1285,1365 v3(1214.72,1365) ; IC1.C3@1193.54,1978.46 v3(1208.19,1963.81) ; C91.2@1310,321.34 C85.2@1220,321.34 C89.2@1135,321.34 C99.2@1050,321.34 C98.2@960,321.34 ; C78.2@1420,2211.34 C75.2@1500,2211.34 v3(1500,2259.97) ; IC1.N11@1445.51,1663.5 v3(1460.8,1648.21) ; C28.2@1460,323.66 1465,318.66 C15.2@1555,318.66 ; U10.6@1686.3,670 1705,670 1748.47,626.53 1748.47,597.94 1770.08,576.34 C29.2@1775,576.34 ; FB4.1@1710,1960.43 1704.24,1960.43 1695.43,1969.24 FB7.1@1695.43,2035 v3(1725,2035) ; C76.2@1860,1769.92 C76.2@1860,1765 1860,1531.34 C37.2@1861.34,1530 ; C27.2@1960,488.66 2032.06,488.66 2053.66,467.06 R23.1@2053.66,465 ; R3.2@1962.32,1915.08 1962.32,1920 ; R1.2@1965,2074.09 R1.2@1964.09,2075 1964.09,1893.23 R3.2@1967.32,1890 R3.2@1967.32,1885.08 ; R10.1@2041.34,1235 2041.34,1160 R19.1@2046.34,1155 ; C80.2@2110,2401.34 C79.2@2195,2401.34 ; C13_U_uSD_Card2.2@573.66,1735 C12_U_uSD_Card2.2@573.66,1635 573.66,1630.08 628.49,1575.25 634.73,1575.25 656.34,1553.64 R11_U_uSD_Card2.1@656.34,1548.72 R12_U_uSD_Card2.1@656.34,1458.72 R13_U_uSD_Card2.1@656.34,1363.72 R14_U_uSD_Card2.1@656.34,1278.64 ; C13_U_uSD_Card2.2@573.66,1735 573.66,1776.12 656.34,1858.8 R15_U_uSD_Card1.1@656.34,1863.72 R14_U_uSD_Card1.1@656.34,1948.72 R14_U_uSD_Card1.1@656.34,1953.64 ; R15_U_uSD_Card2.1@656.34,1188.72 R14_U_uSD_Card2.1@656.34,1273.72 R14_U_uSD_Card2.1@656.34,1278.64
VCC_3V3A: C1.2 C2.2 FB1.2 U1.26
VCC_DUAL: C19.2 C20.2 C25.2 C26.2 D3.1 D4.2 P2.2 R20.1 U4.1 U4.3 U5.7 U6.1 U6.3 | length 667.7
  Top (S1) w6: D4.2@365,721.1 412.92,721.1 445,689.02 D3.1@445,687.72 ; P2.2@1430,145 1513.79,228.79 1545.21,228.79 1640.08,323.66 C19.2@1645,323.66 1735,323.66 C25.2@1740,318.66 1745,323.66 C26.2@1925,323.66
pads on no net: IC1.A8 IC1.A9 IC1.A10 IC1.B8 IC1.B13 IC1.D14 IC1.E1 IC1.E2 IC1.F1 IC1.G1 IC1.G2 IC1.H1 IC1.H14 IC1.J2 IC1.J14 IC1.L14 IC1.M2 IC1.M5 IC1.N2 IC1.N5 IC1.N7 IC1.P2 IC1.P3 IC1.P8 SD1_U_uSD_Card1.11 SD1_U_uSD_Card1.12 SD1_U_uSD_Card1.13 SD1_U_uSD_Card1.14 SD1_U_uSD_Card2.11 SD1_U_uSD_Card2.12 SD1_U_uSD_Card2.13 SD1_U_uSD_Card2.14 U1.8 U1.11 U1.13 U1.14 U1.18 U1.20 U1.21 U1.22 U1.23 U1.25 U1.27 U1.32 U2.3 U2.4 U2.5 U2.6 U2.11 U2.12 U2.13 U2.14 U3.3 U7.3 U7.22 U7.23 U7.30 U7.33 U7.34 U7.36 U7.43 U7.44 U7.45 U7.46 U7.48 U7.52 U7.53 U7.54 U7.55 U7.57 U7.58 U7.59 U9.2